# KiCad board ZX-Spectrum-Pentagon.kicad_pcb
date: 2022-12-28; rev: pcb_v0.3_393
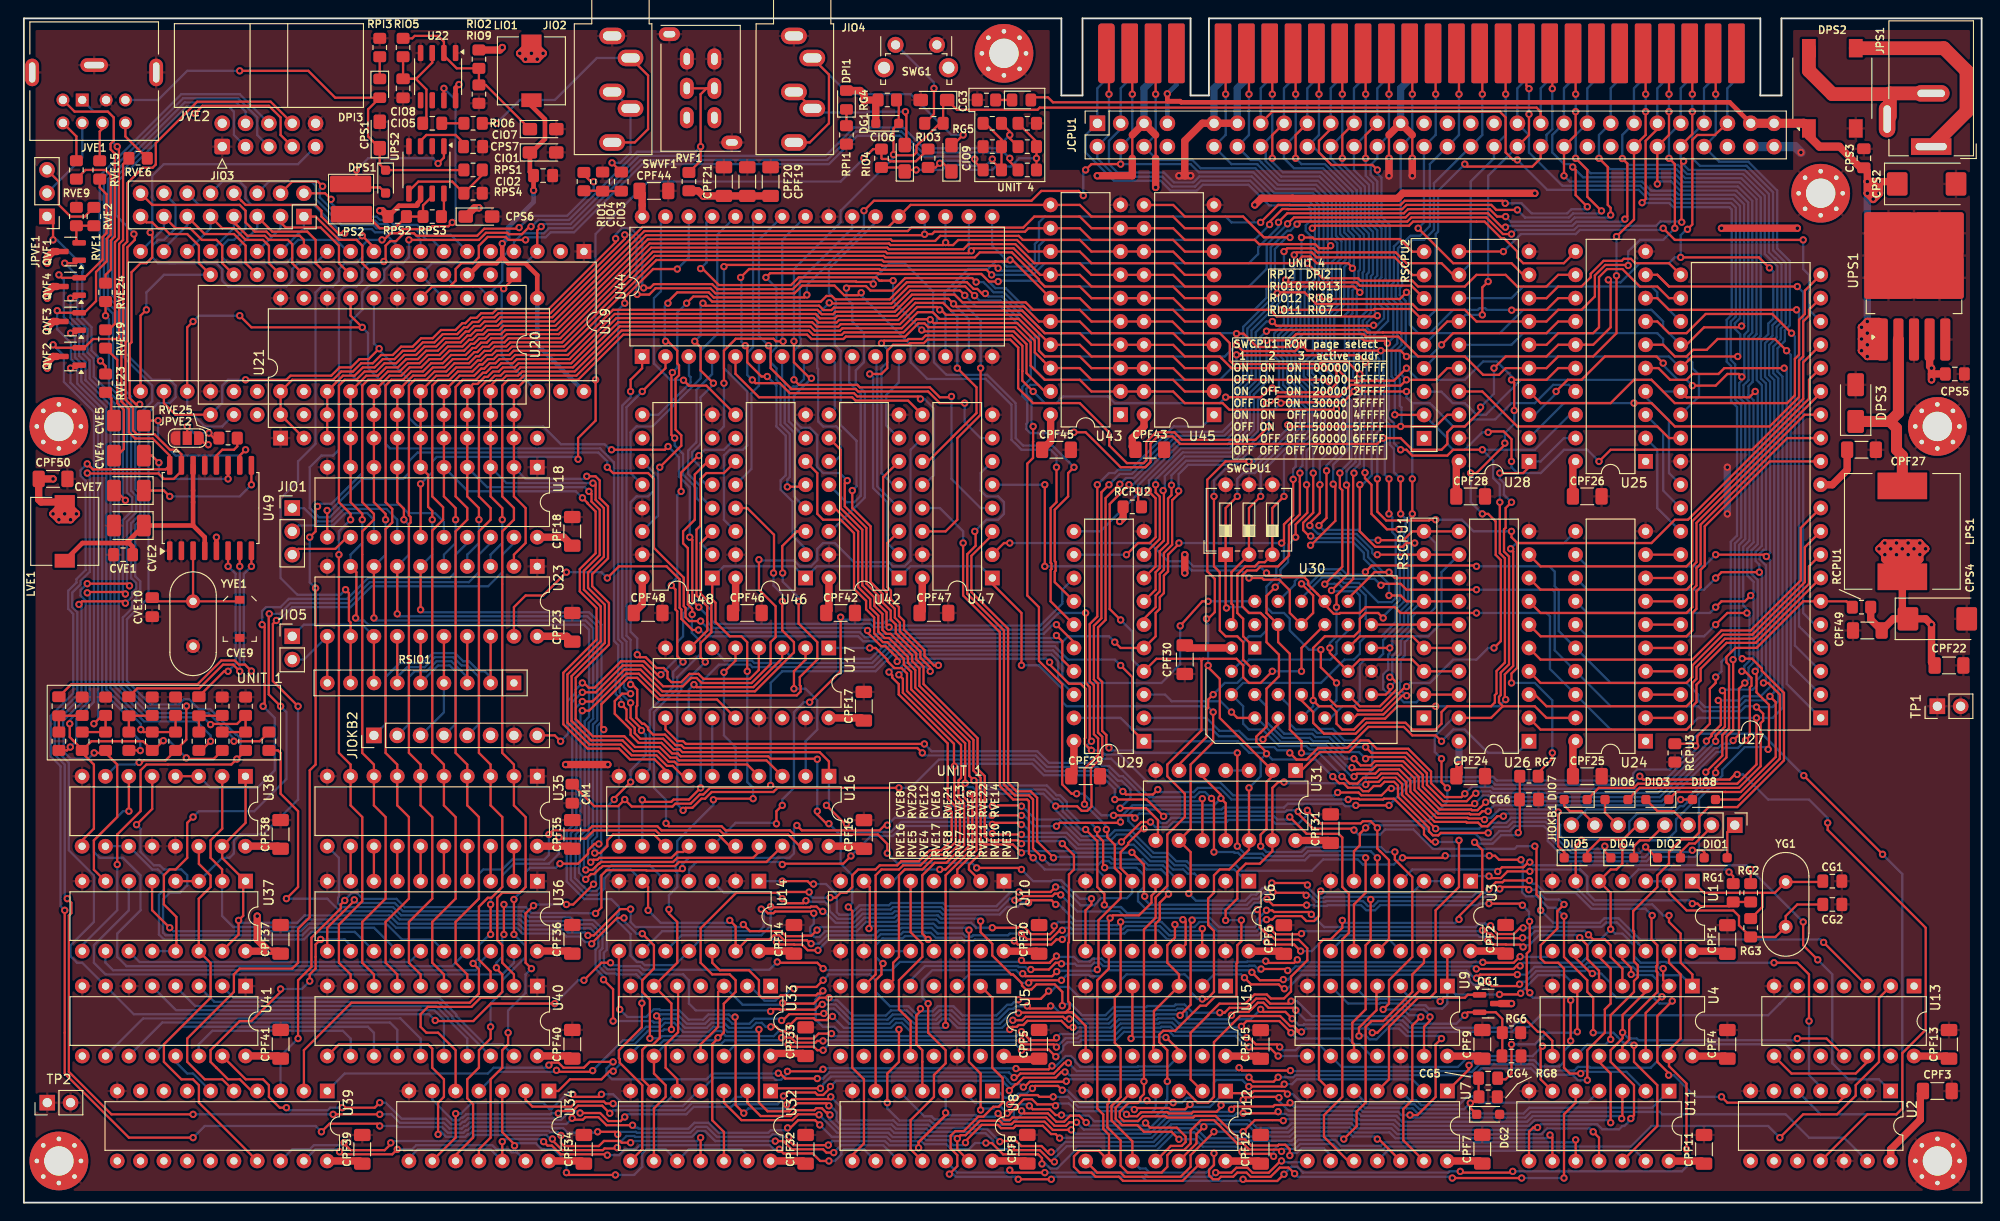
[diagram p0: board, top side]
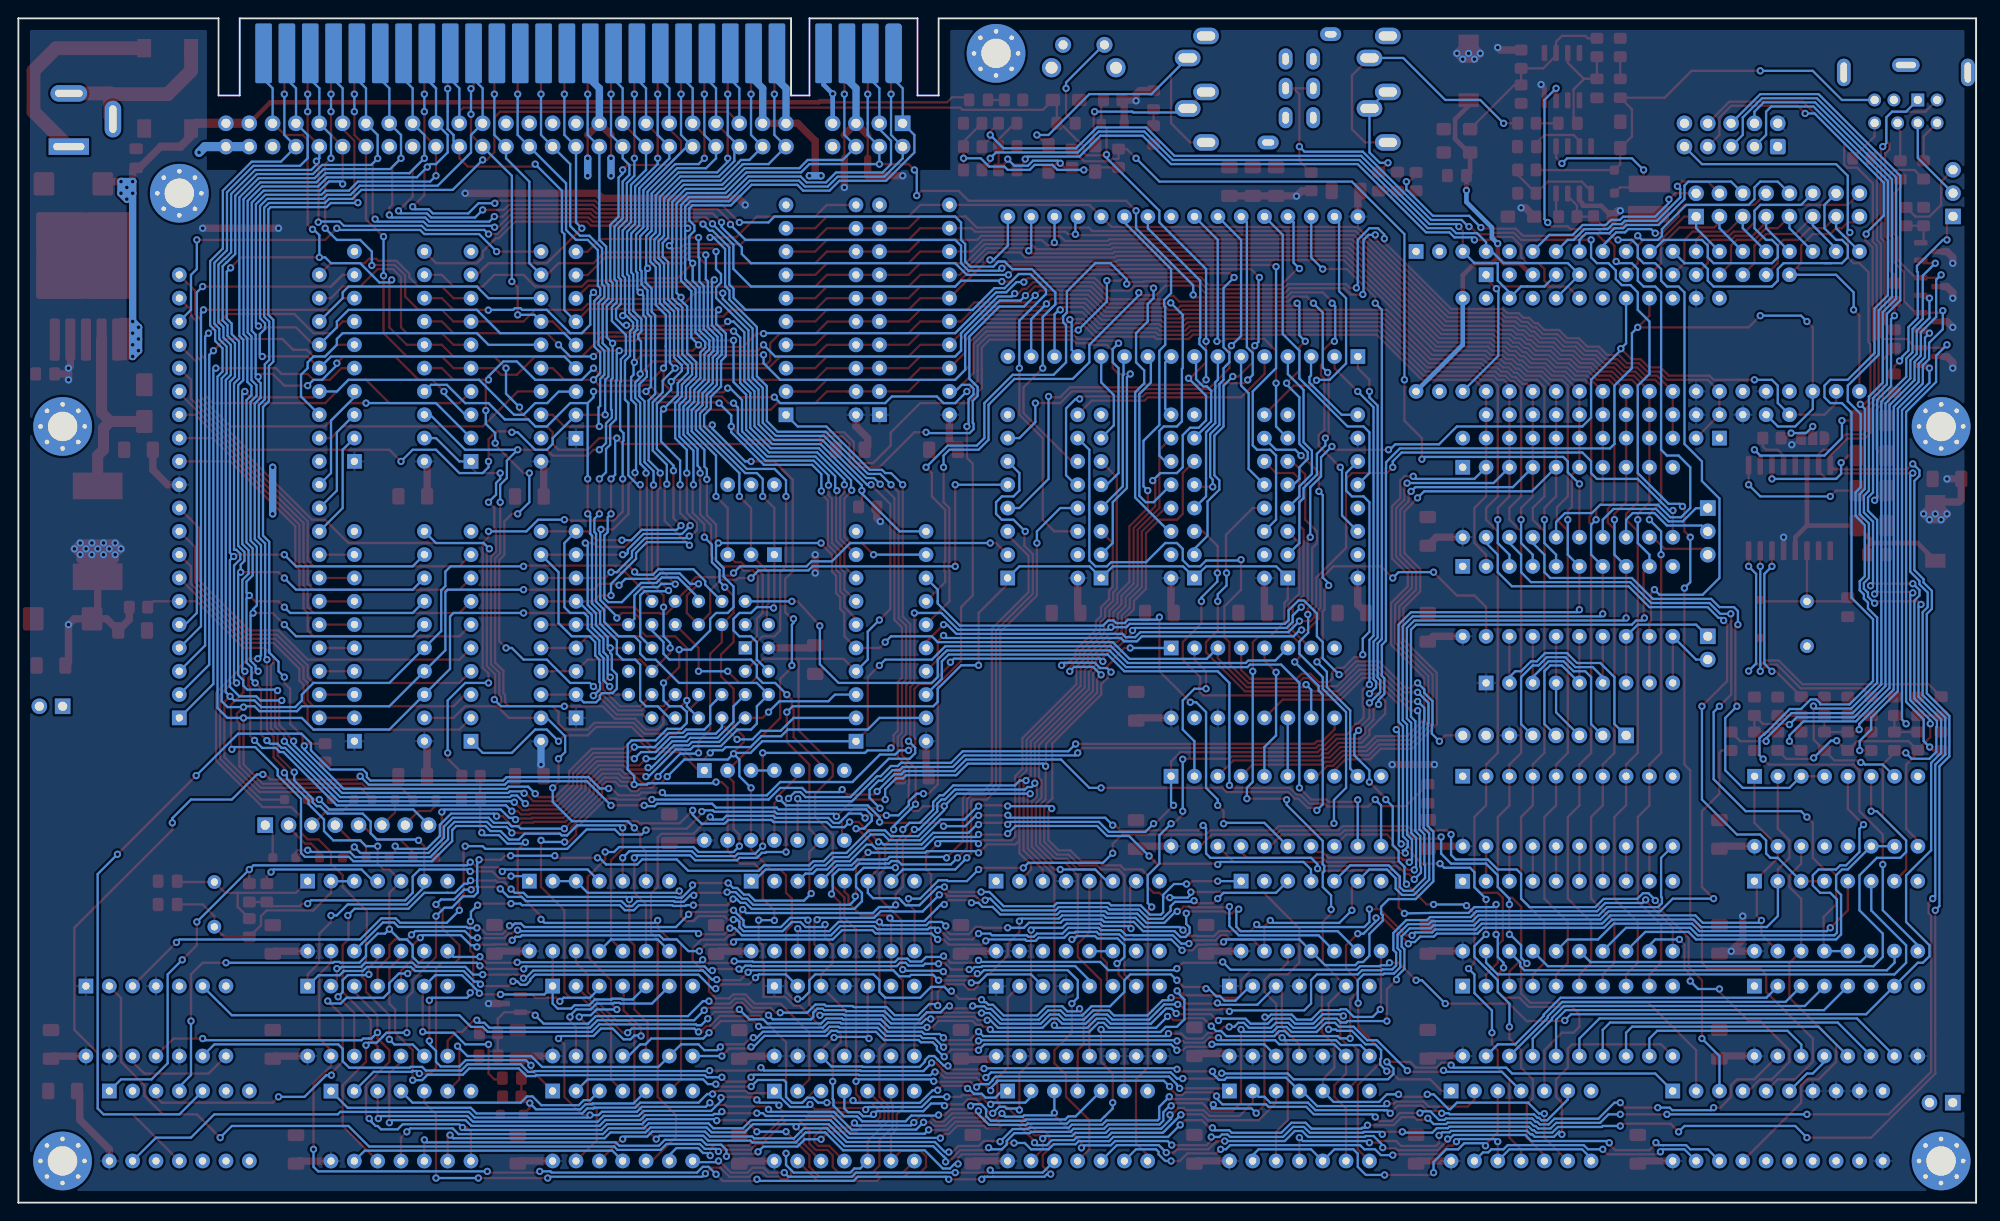
[diagram p1: board, bottom side, seen from below]

Outline 213.1 x 129 mm; copper layers: Top, Bottom. Coordinates in mm from the lower left corner of the outline.
Outline path: 112.93,129 0,129 0,0 213.1,0 213.1,129 191.31,129
Stack: Top 0.035mm / dielectric 1.51mm FR4 er 4.5 / Bottom 0.035mm

## Placement (name value [footprint] x y rotation side)
CG1  20pF  [C_0805_2012Metric_Pad1.18x1.45mm_HandSolder]  196.85 35.02 0 top
CG2  20pF  [C_0805_2012Metric_Pad1.18x1.45mm_HandSolder]  196.85 32.48 180 top
CG3  47uF/16V  [CP_EIA-3216-18_Kemet-A_Pad1.58x1.35mm_HandSolder]  99.06 120.11 180 top
CG4  1nF  [C_0805_2012Metric_Pad1.18x1.45mm_HandSolder]  161.93 15.97 0 top
CG5  22nF  [C_0805_2012Metric_Pad1.18x1.45mm_HandSolder]  159.39 13.56 0 top
CG6  510pF  [C_0805_2012Metric_Pad1.18x1.45mm_HandSolder]  163.83 43.91 180 top
CIO1  47uF/16V  [CP_EIA-3216-18_Kemet-A_Pad1.58x1.35mm_HandSolder]  56.51 114.39 0 top
CIO2  100nF  [C_0805_2012Metric_Pad1.18x1.45mm_HandSolder]  56.51 111.88 0 top
CIO3  150nF  [C_0805_2012Metric_Pad1.18x1.45mm_HandSolder]  65.02 111.22 90 top
CIO4  3.3nF  [C_0805_2012Metric_Pad1.18x1.45mm_HandSolder]  62.99 111.22 90 top
CIO5  150nF  [C_0805_2012Metric_Pad1.18x1.45mm_HandSolder]  44.45 117.57 180 top
CIO6  10uF/16V  [CP_EIA-3216-18_Kemet-A_Pad1.58x1.35mm_HandSolder]  95.88 113.76 90 top
CIO7  47uF/16V  [CP_EIA-3216-18_Kemet-A_Pad1.58x1.35mm_HandSolder]  56.51 116.94 0 top
CIO8  1nF  [C_0805_2012Metric_Pad1.18x1.45mm_HandSolder]  41.27 121.38 270 top
CIO9  10uF/16V  [CP_EIA-3216-18_Kemet-A_Pad1.58x1.35mm_HandSolder]  100.97 113.76 90 top
CM1  1nF  [C_0805_2012Metric_Pad1.18x1.45mm_HandSolder]  59.69 44.54 270 top
CPF1  100nF  [C_1206_3216Metric_Pad1.33x1.80mm_HandSolder]  185.42 28.66 90 top
CPF2  100nF  [C_1206_3216Metric_Pad1.33x1.80mm_HandSolder]  161.28 28.68 90 top
CPF3  100nF  [C_1206_3216Metric_Pad1.33x1.80mm_HandSolder]  208.28 12.16 0 top
CPF4  100nF  [C_1206_3216Metric_Pad1.33x1.80mm_HandSolder]  185.42 17.24 90 top
CPF5  100nF  [C_1206_3216Metric_Pad1.33x1.80mm_HandSolder]  110.5 17.25 90 top
CPF6  100nF  [C_1206_3216Metric_Pad1.33x1.80mm_HandSolder]  137.15 28.66 90 top
CPF7  100nF  [C_1206_3216Metric_Pad1.33x1.80mm_HandSolder]  158.75 5.82 90 top
CPF8  100nF  [C_1206_3216Metric_Pad1.33x1.80mm_HandSolder]  109.22 5.82 90 top
CPF9  100nF  [C_1206_3216Metric_Pad1.33x1.80mm_HandSolder]  158.75 17.24 90 top
CPF10  100nF  [C_1206_3216Metric_Pad1.33x1.80mm_HandSolder]  110.5 28.67 90 top
CPF11  100nF  [C_1206_3216Metric_Pad1.33x1.80mm_HandSolder]  182.88 5.81 90 top
CPF12  100nF  [C_1206_3216Metric_Pad1.33x1.80mm_HandSolder]  134.62 5.81 90 top
CPF13  100nF  [C_1206_3216Metric_Pad1.33x1.80mm_HandSolder]  209.55 17.24 90 top
CPF14  100nF  [C_1206_3216Metric_Pad1.33x1.80mm_HandSolder]  83.82 28.68 90 top
CPF15  100nF  [C_1206_3216Metric_Pad1.33x1.80mm_HandSolder]  134.62 17.23 90 top
CPF16  100nF  [C_1206_3216Metric_Pad1.33x1.80mm_HandSolder]  91.44 40.1 90 top
CPF17  100nF  [C_1206_3216Metric_Pad1.33x1.80mm_HandSolder]  91.43 54.07 90 top
CPF18  100nF  [C_1206_3216Metric_Pad1.33x1.80mm_HandSolder]  59.69 73.12 90 top
CPF19  100nF  [C_1206_3216Metric_Pad1.33x1.80mm_HandSolder]  81.28 111.22 90 top
CPF20  100nF  [C_1206_3216Metric_Pad1.33x1.80mm_HandSolder]  78.74 111.22 90 top
CPF21  100nF  [C_1206_3216Metric_Pad1.33x1.80mm_HandSolder]  76.2 111.22 90 top
CPF22  100nF  [C_1206_3216Metric_Pad1.33x1.80mm_HandSolder]  209.55 58.51 0 top
CPF23  100nF  [C_1206_3216Metric_Pad1.33x1.80mm_HandSolder]  59.69 62.67 90 top
CPF24  100nF  [C_1206_3216Metric_Pad1.33x1.80mm_HandSolder]  157.48 46.45 0 top
CPF25  100nF  [C_1206_3216Metric_Pad1.33x1.80mm_HandSolder]  170.18 46.45 0 top
CPF26  100nF  [C_1206_3216Metric_Pad1.33x1.80mm_HandSolder]  170.17 76.93 0 top
CPF27  100nF  [C_1206_3216Metric_Pad1.33x1.80mm_HandSolder]  200.03 82.01 0 top
CPF28  100nF  [C_1206_3216Metric_Pad1.33x1.80mm_HandSolder]  157.48 76.92 0 top
CPF29  100nF  [C_1206_3216Metric_Pad1.33x1.80mm_HandSolder]  115.57 46.45 0 top
CPF30  100nF  [C_1206_3216Metric_Pad1.33x1.80mm_HandSolder]  126.37 59.15 270 top
CPF31  100nF  [C_1206_3216Metric_Pad1.33x1.80mm_HandSolder]  142.24 40.73 90 top
CPF32  100nF  [C_1206_3216Metric_Pad1.33x1.80mm_HandSolder]  85.09 5.81 90 top
CPF33  100nF  [C_1206_3216Metric_Pad1.33x1.80mm_HandSolder]  85.09 17.53 90 top
CPF34  100nF  [C_1206_3216Metric_Pad1.33x1.80mm_HandSolder]  60.96 5.81 90 top
CPF35  100nF  [C_1206_3216Metric_Pad1.33x1.80mm_HandSolder]  59.7 40.11 90 top
CPF36  100nF  [C_1206_3216Metric_Pad1.33x1.80mm_HandSolder]  59.7 28.68 90 top
CPF37  100nF  [C_1206_3216Metric_Pad1.33x1.80mm_HandSolder]  27.94 28.68 90 top
CPF38  100nF  [C_1206_3216Metric_Pad1.33x1.80mm_HandSolder]  27.94 40.11 90 top
CPF39  100nF  [C_1206_3216Metric_Pad1.33x1.80mm_HandSolder]  36.83 5.81 90 top
CPF40  100nF  [C_1206_3216Metric_Pad1.33x1.80mm_HandSolder]  59.7 17.25 90 top
CPF41  100nF  [C_1206_3216Metric_Pad1.33x1.80mm_HandSolder]  27.95 17.25 90 top
CPF42  100nF  [C_1206_3216Metric_Pad1.33x1.80mm_HandSolder]  88.9 64.23 0 top
CPF43  100nF  [C_1206_3216Metric_Pad1.33x1.80mm_HandSolder]  122.56 82.01 0 top
CPF44  100nF  [C_1206_3216Metric_Pad1.33x1.80mm_HandSolder]  68.58 110.2 0 top
CPF45  100nF  [C_1206_3216Metric_Pad1.33x1.80mm_HandSolder]  112.4 82 0 top
CPF46  100nF  [C_1206_3216Metric_Pad1.33x1.80mm_HandSolder]  78.74 64.23 0 top
CPF47  100nF  [C_1206_3216Metric_Pad1.33x1.80mm_HandSolder]  99.06 64.23 0 top
CPF48  100nF  [C_1206_3216Metric_Pad1.33x1.80mm_HandSolder]  67.94 64.23 0 top
CPF49  100nF  [C_1206_3216Metric_Pad1.33x1.80mm_HandSolder]  200.66 62.32 180 top
CPF50  100nF  [C_1206_3216Metric_Pad1.33x1.80mm_HandSolder]  3.18 78.83 0 top
CPS1  47uF/16V  [CP_EIA-3216-18_Kemet-A_Pad1.58x1.35mm_HandSolder]  38.73 116.3 90 top
CPS2  330uF/50V  [CP_EIA-7343-31_Kemet-D_Pad2.25x2.55mm_HandSolder]  207.11 110.97 0 top
CPS3  100nF  [C_0805_2012Metric_Pad1.18x1.45mm_HandSolder]  200.28 113.76 90 top
CPS4  330uF/50V  [CP_EIA-7343-31_Kemet-D_Pad2.25x2.55mm_HandSolder]  208.28 63.59 0 top
CPS5  100nF  [C_0805_2012Metric_Pad1.18x1.45mm_HandSolder]  210.19 90.26 0 top
CPS6  4.7uF/16V  [CP_EIA-3216-18_Kemet-A_Pad1.58x1.35mm_HandSolder]  49.53 107.41 0 top
CPS7  330pF  [C_0805_2012Metric_Pad1.18x1.45mm_HandSolder]  48.9 115.03 0 top
CVE1  100nF  [C_0805_2012Metric_Pad1.18x1.45mm_HandSolder]  10.79 70.58 180 top
CVE2  47uF/16V  [CP_EIA-3528-21_Kemet-B_Pad1.50x2.35mm_HandSolder]  11.43 73.75 180 top
CVE3  100nF  [C_0805_2012Metric_Pad1.18x1.45mm_HandSolder]  19.05 54.07 90 top
CVE4  220uF/16V  [CP_EIA-3528-21_Kemet-B_Pad1.50x2.35mm_HandSolder]  11.43 81.38 180 top
CVE5  220uF/16V  [CP_EIA-3528-21_Kemet-B_Pad1.50x2.35mm_HandSolder]  11.43 85.18 180 top
CVE6  100nF  [C_0805_2012Metric_Pad1.18x1.45mm_HandSolder]  11.43 54.07 90 top
CVE7  220uF/16V  [CP_EIA-3528-21_Kemet-B_Pad1.50x2.35mm_HandSolder]  11.43 77.56 180 top
CVE8  100nF  [C_0805_2012Metric_Pad1.18x1.45mm_HandSolder]  3.81 54.07 90 top
CVE9  5pF-20pF  [C_Trimmer_Murata_TZC3]  23.49 63.59 270 top
CVE10  5pF  [C_0805_2012Metric_Pad1.18x1.45mm_HandSolder]  13.97 64.86 270 top
DG1  1N4148  [D_SOD-323_HandSoldering]  93.98 117.57 0 top
DG2  1N4148  [D_SOD-323_HandSoldering]  159.39 9.62 0 top
DIO1  1N4148  [D_SOD-323_HandSoldering]  184.15 37.56 0 top
DIO2  1N4148  [D_SOD-323_HandSoldering]  179.07 37.56 0 top
DIO3  1N4148  [D_SOD-323_HandSoldering]  177.8 43.91 180 top
DIO4  1N4148  [D_SOD-323_HandSoldering]  173.99 37.56 0 top
DIO5  1N4148  [D_SOD-323_HandSoldering]  168.91 37.56 0 top
DIO6  1N4148  [D_SOD-323_HandSoldering]  173.36 43.91 180 top
DIO7  1N4148  [D_SOD-323_HandSoldering]  168.91 43.91 180 top
DIO8  1N4148  [D_SOD-323_HandSoldering]  182.88 43.91 180 top
DPI1  RED  [LED_0805_2012Metric_Pad1.15x1.40mm_HandSolder]  89.53 120.11 90 top
DPI2  YELLO  [LED_0805_2012Metric_Pad1.15x1.40mm_HandSolder]  108.59 120.11 0 top
DPI3  GREEN  [LED_0805_2012Metric_Pad1.15x1.40mm_HandSolder]  38.73 121.38 270 top
DPS1  1N5819  [D_SOD-323_HandSoldering]  39.37 111.22 270 top
DPS2  DF005S  [Diode_Bridge_Vishay_DFS]  196.85 121.38 90 top
DPS3  SS34  [D_SMA]  199.39 87.09 90 top
H1  MountingHole_Pad  [MountingHole_3.2mm_M3_Pad_Via]  106.68 125.19 0 top
H2  MountingHole_Pad  [MountingHole_3.2mm_M3_Pad_Via]  195.58 109.95 0 top
H3  MountingHole_Pad  [MountingHole_3.2mm_M3_Pad_Via]  208.28 84.55 0 top
H4  MountingHole_Pad  [MountingHole_3.2mm_M3_Pad_Via]  208.29 4.54 0 top
H5  MountingHole_Pad  [MountingHole_3.2mm_M3_Pad_Via]  3.81 4.54 0 top
H6  MountingHole_Pad  [MountingHole_3.2mm_M3_Pad_Via]  3.81 84.55 0 top
JCPU1  TOP LEVEL  [PinSocket_2x30_P2.54mm_Vertical]  153.68 116.3 90 top
JIO1  0XFE OUT  [PinHeader_1x03_P2.54mm_Vertical]  29.21 75.66 0 top
JIO2  Tape  [Jack_3.5mm_CUI_SJ1-3535NG_Horizontal]  64.03 127.08 0 top
JIO3  AY_IO  [PinSocket_2x08_P2.54mm_Vertical]  30.48 107.41 270 top
JIO4  Sound  [Jack_3.5mm_CUI_SJ1-3535NG_Horizontal]  83.82 127.08 0 top
JIO5  OxFE IN  [PinHeader_1x02_P2.54mm_Vertical]  29.21 61.69 0 top
JIOKB1  KADDR  [PinHeader_1x08_P2.54mm_Vertical]  186.23 41.12 270 top
JIOKB2  KDATA  [PinHeader_1x08_P2.54mm_Vertical]  38.1 50.89 90 top
JPS1  POWER  [BarrelJack_Wuerth_6941xx301002]  207.61 115.03 180 top
JPVE1  SYNC/LUMA  [PinHeader_1x03_P2.54mm_Vertical]  2.52 107.42 180 top
JPVE2  SolderJumper_3_Open  [SolderJumper-3_P1.3mm_Open_RoundedPad1.0x1.5mm]  17.78 83.28 0 top
JVE1  SVIDEO  [CUI_MD-80SMK]  6.35 120.11 0 top
JVE2  HDMI ADAPTER  [IDC-Header_2x05_P2.54mm_Horizontal]  21.59 115.03 90 top
LIO1  100uH  [L_7.3x7.3_H4.5]  55.24 123.28 270 top
LPS1  33uH  [L_12x12mm_H6mm]  204.47 73.12 270 top
LPS2  220uH  [CD43]  35.56 109.31 0 top
LVE1  100uH  [L_7.3x7.3_H4.5]  4.45 73.12 270 top
QG1  BC848  [SOT-23]  159.39 21.68 0 top
QVF1  BC848  [SOT-23]  5.08 103.6 180 top
QVF2  BC848  [SOT-23]  5.08 92.17 180 top
QVF3  BC848  [SOT-23]  5.08 95.98 180 top
QVF4  BC848  [SOT-23]  5.08 99.79 180 top
RCPU1  330  [R_0805_2012Metric_Pad1.20x1.40mm_HandSolder]  200.03 64.86 0 top
RCPU2  10kOm  [R_0805_2012Metric_Pad1.20x1.40mm_HandSolder]  120.65 75.79 0 top
RCPU3  10kOm  [R_0805_2012Metric_Pad1.20x1.40mm_HandSolder]  179.71 48.99 270 top
RG1  1kOm  [R_0805_2012Metric_Pad1.20x1.40mm_HandSolder]  186.06 33.75 270 top
RG2  10kOm  [R_0805_2012Metric_Pad1.20x1.40mm_HandSolder]  187.96 33.75 90 top
RG3  2MOm  [R_0805_2012Metric_Pad1.20x1.40mm_HandSolder]  187.96 29.94 270 top
RG4  10kOm  [R_0805_2012Metric_Pad1.20x1.40mm_HandSolder]  93.98 120.11 0 top
RG5  330  [R_0805_2012Metric_Pad1.20x1.40mm_HandSolder]  99.06 117.57 180 top
RG6  160  [R_0805_2012Metric_Pad1.20x1.40mm_HandSolder]  161.93 18.51 180 top
RG7  680  [R_0805_2012Metric_Pad1.20x1.40mm_HandSolder]  163.83 46.45 180 top
RG8  1kOm  [R_0805_2012Metric_Pad1.20x1.40mm_HandSolder]  159.39 11.53 180 top
RIO1  47kOm  [R_0805_2012Metric_Pad1.20x1.40mm_HandSolder]  60.96 111.22 270 top
RIO2  4.7kOm  [R_0805_2012Metric_Pad1.20x1.40mm_HandSolder]  49.53 124.55 270 top
RIO3  4.7kOm  [R_0805_2012Metric_Pad1.20x1.40mm_HandSolder]  98.43 113.76 270 top
RIO4  4.7kOm  [R_0805_2012Metric_Pad1.20x1.40mm_HandSolder]  93.34 113.76 270 top
RIO5  39kOm  [R_0805_2012Metric_Pad1.20x1.40mm_HandSolder]  41.27 125.82 90 top
RIO6  1kOm  [R_0805_2012Metric_Pad1.20x1.40mm_HandSolder]  48.9 117.57 0 top
RIO7  1kOm  [R_0805_2012Metric_Pad1.20x1.40mm_HandSolder]  109.22 112.49 0 top
RIO8  2kOm  [R_0805_2012Metric_Pad1.20x1.40mm_HandSolder]  109.22 115.03 0 top
RIO9  4.7kOm  [R_0805_2012Metric_Pad1.20x1.40mm_HandSolder]  49.53 120.74 270 top
RIO10  2kOm  [R_0805_2012Metric_Pad1.20x1.40mm_HandSolder]  105.41 117.57 180 top
RIO11  1kOm  [R_0805_2012Metric_Pad1.20x1.40mm_HandSolder]  105.41 112.49 0 top
RIO12  5.1kOm  [R_0805_2012Metric_Pad1.20x1.40mm_HandSolder]  105.41 115.03 180 top
RIO13  5.1kOm  [R_0805_2012Metric_Pad1.20x1.40mm_HandSolder]  109.22 117.57 0 top
RPI1  330  [R_0805_2012Metric_Pad1.20x1.40mm_HandSolder]  89.53 116.3 270 top
RPI2  330  [R_0805_2012Metric_Pad1.20x1.40mm_HandSolder]  104.78 120.11 180 top
RPI3  4.7kOm  [R_0805_2012Metric_Pad1.20x1.40mm_HandSolder]  38.73 125.82 90 top
RPS1  13kOm  [R_0805_2012Metric_Pad1.20x1.40mm_HandSolder]  48.9 112.49 180 top
RPS2  1  [R_0805_2012Metric_Pad1.20x1.40mm_HandSolder]  40.64 107.41 0 top
RPS3  180  [R_0805_2012Metric_Pad1.20x1.40mm_HandSolder]  44.45 107.41 0 top
RPS4  1.5kOm  [R_0805_2012Metric_Pad1.20x1.40mm_HandSolder]  48.9 109.95 0 top
RSCPU1  8x10kOm  [R_Array_SIP9]  152.4 52.8 90 top
RSCPU2  8x10kOm  [R_Array_SIP9]  152.41 83.26 90 top
RSIO1  8x10kOm  [R_Array_SIP9]  53.34 56.61 180 top
RVE1  270  [R_0805_2012Metric_Pad1.20x1.40mm_HandSolder]  5.71 107.41 270 top
RVE2  270  [R_0805_2012Metric_Pad1.20x1.40mm_HandSolder]  7.62 107.41 270 top
RVE3  680  [R_0805_2012Metric_Pad1.20x1.40mm_HandSolder]  26.67 50.26 270 top
RVE4  3.9kOm  [R_0805_2012Metric_Pad1.20x1.40mm_HandSolder]  8.89 50.26 270 top
RVE5  18kOm  [R_0805_2012Metric_Pad1.20x1.40mm_HandSolder]  6.35 50.26 270 top
RVE6  68  [R_0805_2012Metric_Pad1.20x1.40mm_HandSolder]  12.43 113.76 0 top
RVE7  3.9kOm  [R_0805_2012Metric_Pad1.20x1.40mm_HandSolder]  16.51 50.26 270 top
RVE8  18kOm  [R_0805_2012Metric_Pad1.20x1.40mm_HandSolder]  13.97 50.26 270 top
RVE9  68  [R_0805_2012Metric_Pad1.20x1.40mm_HandSolder]  5.71 112.49 90 top
RVE10  3.9kOm  [R_0805_2012Metric_Pad1.20x1.40mm_HandSolder]  24.13 50.26 270 top
RVE11  18kOm  [R_0805_2012Metric_Pad1.20x1.40mm_HandSolder]  21.59 50.26 270 top
RVE12  2.2kOm  [R_0805_2012Metric_Pad1.20x1.40mm_HandSolder]  8.89 54.07 90 top
RVE13  2.2kOm  [R_0805_2012Metric_Pad1.20x1.40mm_HandSolder]  16.51 54.07 90 top
RVE14  2.2kOm  [R_0805_2012Metric_Pad1.20x1.40mm_HandSolder]  24.13 54.07 90 top
RVE15  68  [R_0805_2012Metric_Pad1.20x1.40mm_HandSolder]  8.25 112.49 90 top
RVE16  68  [R_0805_2012Metric_Pad1.20x1.40mm_HandSolder]  3.81 50.26 90 top
RVE17  68  [R_0805_2012Metric_Pad1.20x1.40mm_HandSolder]  11.43 50.26 90 top
RVE18  68  [R_0805_2012Metric_Pad1.20x1.40mm_HandSolder]  19.05 50.26 90 top
RVE19  75  [R_0805_2012Metric_Pad1.20x1.40mm_HandSolder]  8.89 94.07 270 top
RVE20  75  [R_0805_2012Metric_Pad1.20x1.40mm_HandSolder]  6.35 54.07 90 top
RVE21  75  [R_0805_2012Metric_Pad1.20x1.40mm_HandSolder]  13.97 54.07 90 top
RVE22  75  [R_0805_2012Metric_Pad1.20x1.40mm_HandSolder]  21.59 54.07 90 top
RVE23  75  [R_0805_2012Metric_Pad1.20x1.40mm_HandSolder]  8.89 89.26 270 top
RVE24  75  [R_0805_2012Metric_Pad1.20x1.40mm_HandSolder]  8.89 99.16 270 top
RVE25  10kOm  [R_0805_2012Metric_Pad1.20x1.40mm_HandSolder]  22.23 83.28 180 top
RVF1  4.7kOm  [R_0805_2012Metric_Pad1.20x1.40mm_HandSolder]  72.39 111.22 90 top
SWCPU1  ROMSELECT  [SW_DIP_SPSTx03_Slide_6.7x9.18mm_W7.62mm_P2.54mm_LowProfile]  130.81 70.58 90 top
SWG1  RESET  [SW_Tactile_SPST_Angled_PTS645Vx39-2LFS]  94.88 126.11 0 top
SWVF1  128K/512K  [PS-22F03]  73.66 121.38 0 top
TP1  GND  [PinHeader_1x02_P2.54mm_Vertical]  208.28 54.07 90 top
TP2  GND  [PinHeader_1x02_P2.54mm_Vertical]  2.54 10.89 90 top
U1  74HC04  [DIP-14_W7.62mm]  181.61 35.02 270 top
U2  74HC393  [DIP-14_W7.62mm]  203.2 12.16 270 top
U3  74HC14  [DIP-14_W7.62mm]  157.48 35.02 270 top
U4  74HC11  [DIP-14_W7.62mm]  181.62 23.59 270 top
U5  74HC193  [DIP-16_W7.62mm]  106.66 23.58 270 top
U6  74HC257  [DIP-16_W7.62mm]  133.34 35.02 270 top
U7  74HC04  [DIP-14_W7.62mm]  154.94 12.16 270 top
U8  74HC00  [DIP-14_W7.62mm]  105.41 12.16 270 top
U9  74HC86  [DIP-14_W7.62mm]  154.94 23.59 270 top
U10  74HC193  [DIP-16_W7.62mm]  106.68 35.02 270 top
U11  74HC02  [DIP-14_W7.62mm]  179.08 12.15 270 top
U12  74HC08  [DIP-14_W7.62mm]  130.81 12.15 270 top
U13  74HC74  [DIP-14_W7.62mm]  205.75 23.59 270 top
U14  74HC393  [DIP-14_W7.62mm]  80.01 35.02 270 top
U15  74HC74  [DIP-14_W7.62mm]  130.81 23.59 270 top
U16  74HC273  [DIP-20_W7.62mm]  87.63 46.45 270 top
U17  74HC257  [DIP-16_W7.62mm]  87.62 60.42 270 top
U18  74HC574  [DIP-20_W7.62mm]  55.88 80.1 270 top
U19  AY-3-8910  [DIP-40_W15.24mm]  60.96 103.61 270 top
U20  AY-3-8912  [DIP-28_W15.24mm]  53.34 101.07 270 top
U21  AY-3-8913  [DIP-24_W15.24mm]  27.94 83.28 90 top
U22  LM311  [SO-8_3.9x4.9mm_P1.27mm]  45.09 122.65 270 top
U23  74HC245  [DIP-20_W7.62mm]  55.88 69.31 270 top
U24  74HC245  [DIP-20_W7.62mm]  176.52 50.26 180 top
U25  74HC245  [DIP-20_W7.62mm]  176.52 80.74 180 top
U26  74HC245  [DIP-20_W7.62mm]  163.83 50.26 180 top
U27  Z80CPU  [DIP-40_W15.24mm]  195.59 52.8 180 top
U28  74HC244  [DIP-20_W7.62mm]  163.83 80.74 180 top
U29  GAL16V8  [DIP-20_W7.62mm]  121.92 50.26 180 top
U30  29F040  [PLCC-32_THT-Socket]  133.99 60.42 90 top
U31  74HC32  [DIP-14_W7.62mm]  138.44 47.07 270 top
U32  74HC00  [DIP-14_W7.62mm]  81.28 12.16 270 top
U33  74HC74  [DIP-14_W7.62mm]  81.28 23.59 270 top
U34  74HC08  [DIP-14_W7.62mm]  57.15 12.16 270 top
U35  74HC574  [DIP-20_W7.62mm]  55.88 46.45 270 top
U36  74HC574  [DIP-20_W7.62mm]  55.88 35.01 270 top
U37  74HC153  [DIP-16_W7.62mm]  24.13 35.02 270 top
U38  74HC153  [DIP-16_W7.62mm]  24.12 46.44 270 top
U39  GAL16V8  [DIP-20_W7.62mm]  33.02 12.16 270 top
U40  74HC574  [DIP-20_W7.62mm]  55.88 23.59 270 top
U41  74HC166  [DIP-16_W7.62mm]  24.13 23.59 270 top
U42  74HC257  [DIP-16_W7.62mm]  95.25 68.04 180 top
U43  74HC245  [DIP-20_W7.62mm]  119.37 85.82 180 top
U44  HM628512  [DIP-32_W15.24mm]  67.29 92.16 90 top
U45  74HC574  [DIP-20_W7.62mm]  129.55 85.81 180 top
U46  74HC257  [DIP-16_W7.62mm]  85.09 68.04 180 top
U47  74HC257  [DIP-16_W7.62mm]  105.41 68.04 180 top
U48  74HC257  [DIP-16_W7.62mm]  74.93 68.04 180 top
U49  AD724  [SOIC-16W_7.5x10.3mm_P1.27mm]  20.32 75.66 90 top
UPS1  LM2596S-5.0V  [TO-263-5_TabPin3]  205.74 101.66 90 top
UPS2  MC34063A  [SO-8_3.9x4.9mm_P1.27mm]  43.82 112.49 270 top
XMCPU1  EDGE-28M5  [EDGE_28M5-2.54]  152.12 125.19 0 top
YG1  14MHZ  [Crystal_HC49-U_Vertical]  191.77 34.93 270 top
YVE1  4.433619MHz  [Crystal_HC49-U_Vertical]  18.41 65.5 270 top
